# Allegro board 8880F5-0823_9.brd (continued)
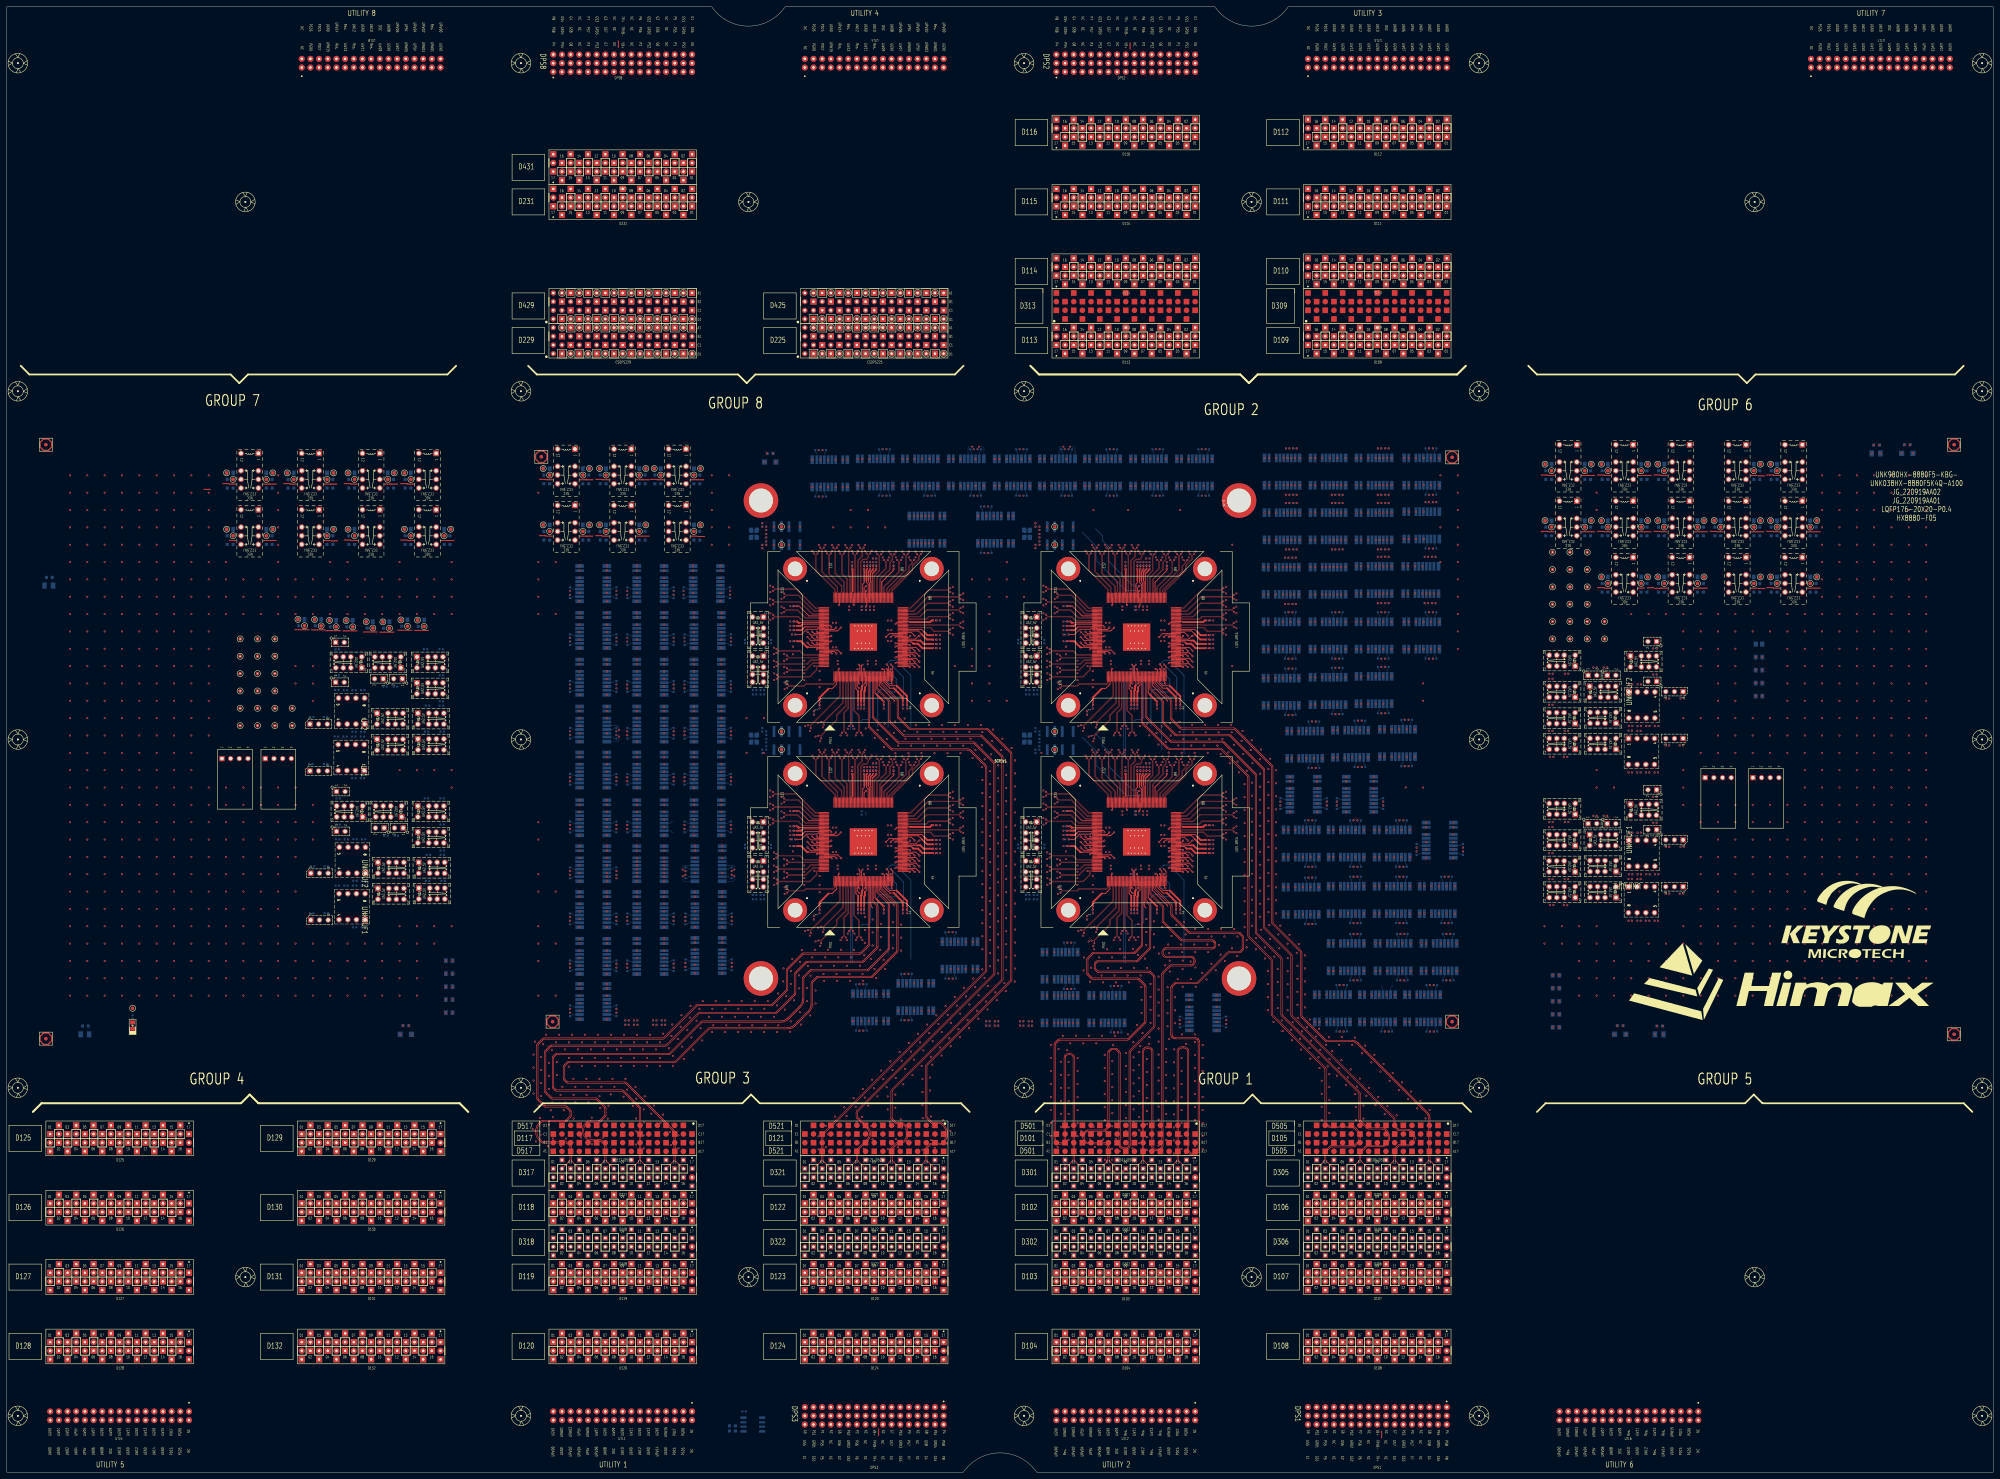
[diagram p0: board, top side]
## Nets (continued)
N26496035: UNK3K12.5 UNK3R132.1
N26496039: UNK3K33.2 UNK3R82.1
N26496040: UNK3K33.4 UNK3R117.1
N26496047: UNK3K18.4 UNK3R5.1 UNK3R6.2
N26496049: UNK3K18.5 UNK3R6.1 UNK3R133.1
N26496050: UNK3C5.1 UNK3R133.2 UNK3Y1.1 UNK3Y2.1
N26496051: UNK3C6.1 UNK3R5.2 UNK3Y1.3 UNK3Y2.3
N26496080: UNK3K13.5 UNK3R120.2
N26496081: UNK3K13.4 UNK3R119.2
N26496142: UNK3J5.1 UNK3K28.5 UNK3R84.2
N26496146: UNK3J4.1 UNK3K28.4 UNK3R83.2
N26500269: UNK3J2.1 UNK3R89.1
N26500273: UNK3J3.1 UNK3R96.1
N26500275: UNK3J3.3 UNK3R93.1
N26500282: UNK3R90.1 UNK3U1.7
N26500307: UNK3J2.2 UNK3U1.3
N26500316: UNK3R97.1 UNK3U2.7
N26500343: UNK3J3.2 UNK3U2.3
N26500354: UNK3J2.3 UNK3R86.1
N26501112: UNK3CA21.1 UNK3K34.5
N26501118: UNK3CA23.1 UNK3K36.5 UNK3K36.8
N26501123: UNK3CA24.1 UNK3K37.5
N26501243: UNK3CA29.1 UNK3K42.5
N26501249: UNK3CA26.1 UNK3K39.5
N26501321: UNK3CA34.1 UNK3K31.5
N26501327: UNK3CA27.1 UNK3K40.5
N26501460: UNK3CA37.1 UNK3K39.8
N26501466: UNK3CA40.1 UNK3K42.8
N26501470: UNK3CA28.1 UNK3K40.8
N26501472: UNK3CA25.1 UNK3K37.8
N26501478: UNK3CA22.1 UNK3K34.8
N26504239: UNK4K25.3 UNK4R55.2
N26504240: UNK4K25.4 UNK4R56.1
N26504241: UNK4K25.6 UNK4R57.2
N26504242: UNK4K25.5 UNK4R58.1
N26504244: UNK4K26.3 UNK4R59.2
N26504245: UNK4K26.4 UNK4R60.1
N26504246: UNK4K26.6 UNK4R61.2
N26504247: UNK4K26.5 UNK4R62.1
N26504249: UNK4K27.5 UNK4R66.1
N26504250: UNK4K27.6 UNK4R65.2
N26504257: UNK4K22.6 UNK4R45.2
N26504258: UNK4K22.5 UNK4R46.1
N26504259: UNK4K23.3 UNK4R47.2
N26504260: UNK4K23.4 UNK4R48.1
N26504261: UNK4K23.6 UNK4R49.2
N26504262: UNK4K23.5 UNK4R50.1
N26504264: UNK4K24.3 UNK4R51.2
N26504265: UNK4K24.4 UNK4R52.1
N26504266: UNK4K24.6 UNK4R53.2
N26504267: UNK4K24.5 UNK4R54.1
N26504282: UNK4K22.3 UNK4R102.2
N26504283: UNK4K22.4 UNK4R103.1
N26504284: UNK4K27.3 UNK4R104.2
N26504285: UNK4K27.4 UNK4R105.1
N26504400: S4_RST_N.2 UNK4J1.2 UNK4K10.4 UNK4R85.2
N26504405: UNK4C7.1 UNK4J1.1
N26504440: UNK4K17.3 UNK4R71.2
N26504441: UNK4K17.4 UNK4R72.1
N26504442: UNK4K17.5 UNK4R74.1
N26504443: UNK4K17.6 UNK4R73.2
N26504444: UNK4K21.3 UNK4R75.2
N26504445: UNK4K21.4 UNK4R76.1
N26504446: UNK4K21.5 UNK4R78.1
N26504447: UNK4K21.6 UNK4R77.2
N26504448: UNK4K29.3 UNK4R79.2
N26504449: UNK4K29.4 UNK4R80.1
N26504450: UNK4K29.6 UNK4R43.2
N26504451: UNK4K29.5 UNK4R44.1
N26504452: UNK4K30.3 UNK4R63.2
N26504453: UNK4K30.4 UNK4R64.1
N26504454: UNK4K30.5 UNK4R101.1
N26504455: UNK4K30.6 UNK4R100.2
N26504536: UNK4K16.3 UNK4R67.2
N26504537: UNK4K16.4 UNK4R68.1
N26504538: UNK4K16.5 UNK4R70.1
N26504539: UNK4K16.6 UNK4R69.2
N26504561: UNK4K6.5 UNK4R30.1
N26504563: UNK4K6.3 UNK4R27.2
N26504564: UNK4K6.4 UNK4R28.1
N26504565: UNK4K6.6 UNK4R29.2
N26504566: UNK4K7.5 UNK4R34.1
N26504568: UNK4K7.3 UNK4R31.2
N26504569: UNK4K7.4 UNK4R32.1
N26504570: UNK4K7.6 UNK4R33.2
N26504612: UNK4K11.3 UNK4R39.2
N26504613: UNK4K11.4 UNK4R40.1
N26504614: UNK4K8.5 UNK4R38.1
N26504616: UNK4K8.6 UNK4R37.2
N26504617: UNK4K11.6 UNK4R41.2
N26504618: UNK4K11.5 UNK4R42.1
N26504660: UNK4K5.5 UNK4R26.1
N26504662: UNK4K5.3 UNK4R23.2
N26504663: UNK4K5.4 UNK4R24.1
N26504664: UNK4K5.6 UNK4R25.2
N26504685: UNK4K3.5 UNK4R18.1
N26504686: UNK4K3.6 UNK4R17.2
N26504687: UNK4K3.4 UNK4R16.1
N26504688: UNK4K3.3 UNK4R15.2
N26504691: UNK4K1.5 UNK4R10.1
N26504692: UNK4K1.6 UNK4R9.2
N26504693: UNK4K1.4 UNK4R8.1
N26504694: UNK4K1.3 UNK4R7.2
N26504696: UNK4K2.3 UNK4R11.2
N26504697: UNK4K2.4 UNK4R12.1
N26504698: UNK4K4.5 UNK4R22.1
N26504700: UNK4K4.3 UNK4R19.2
N26504701: UNK4K4.4 UNK4R20.1
N26504702: UNK4K4.6 UNK4R21.2
N26504703: UNK4K2.5 UNK4R14.1
N26504704: UNK4K2.6 UNK4R13.2
N26504890: UNK4K12.4 UNK4R131.1
N26504892: UNK4K12.5 UNK4R132.1
N26504896: UNK4K33.2 UNK4R82.1
N26504897: UNK4K33.4 UNK4R117.1
N26504904: UNK4K18.4 UNK4R5.1 UNK4R6.2
N26504906: UNK4K18.5 UNK4R6.1 UNK4R133.1
N26504907: UNK4C5.1 UNK4R133.2 UNK4Y1.1 UNK4Y2.1
N26504908: UNK4C6.1 UNK4R5.2 UNK4Y1.3 UNK4Y2.3
N26504937: UNK4K13.5 UNK4R120.2
N26504938: UNK4K13.4 UNK4R119.2
N26504999: UNK4J5.1 UNK4K28.5 UNK4R84.2
N26505003: UNK4J4.1 UNK4K28.4 UNK4R83.2
N26509126: UNK4J2.1 UNK4R89.1
N26509130: UNK4J3.1 UNK4R96.1
N26509132: UNK4J3.3 UNK4R93.1
N26509139: UNK4R90.1 UNK4U1.7
N26509164: UNK4J2.2 UNK4U1.3
N26509173: UNK4R97.1 UNK4U2.7
N26509200: UNK4J3.2 UNK4U2.3
N26509211: UNK4J2.3 UNK4R86.1
N26509969: UNK4CA21.1 UNK4K34.5
N26509975: UNK4CA23.1 UNK4K36.5 UNK4K36.8
N26509980: UNK4CA24.1 UNK4K37.5
N26510100: UNK4CA29.1 UNK4K42.5
N26510106: UNK4CA26.1 UNK4K39.5
N26510178: UNK4CA34.1 UNK4K31.5
N26510184: UNK4CA27.1 UNK4K40.5
N26510317: UNK4CA37.1 UNK4K39.8
N26510323: UNK4CA40.1 UNK4K42.8
N26510327: UNK4CA28.1 UNK4K40.8
N26510329: UNK4CA25.1 UNK4K37.8
N26510335: UNK4CA22.1 UNK4K34.8

Pads without a net: CSDPS225 A17 B17 C17 D17; CSDPS229 A17 B17 C17 D17; CSDPS425 A17 B17 C17 D17; CSDPS429 A17 B17 C17 D17; D101/D501 A1 A2 A3 A4 A5 A6 A7 A8 A9 A10 A11 A12 A13 A14 A15 A16 A17 B1 B2 B3 B4 B5 B6 B7 B8 B9 B10 B11 B12 B13 B14 B15 B16 B17 C1 C2 C3 C4 C5 C6 C7 C8 C9 C10 C11 C12 C13 C14 C15 C16 C17 D2 D3 D4 D5 D6 D7 D8 D9 D10 D11 D12 D13 D14 D15 D16; D102 17 A17 B17; D103 17 A17 B17; D104 17 A17 B17; D105/D505 A1 A2 A3 A4 A5 A6 A7 A8 A9 A10 A11 A12 A13 A14 A15 A16 A17 B1 B2 B3 B4 B5 B6 B7 B8 B9 B10 B11 B12 B13 B14 B15 B16 B17 C1 C2 C3 C4 C5 C6 C7 C8 C9 C10 C11 C12 C13 C14 C15 C16 C17 D2 D3 D4 D5 D6 D7 D8 D9 D10 D11 D12 D13 D14 D15 D16; D106 17 A17 B17; D107 17 A17 B17; D108 17 A17 B17; D109 17 A17 B17; D110 17 A17 B17; D111 17 A17 B17; D112 17 A17 B17; D113 17 A17 B17; D114 17 A17 B17; D115 17 A17 B17; D116 17 A17 B17; D117/D517 A1 A2 A3 A4 A5 A6 A7 A8 A9 A10 A11 A12 A13 A14 A15 A16 A17 B1 B2 B3 B4 B5 B6 B7 B8 B9 B10 B11 B12 B13 B14 B15 B16 B17 C1 C2 C3 C4 C5 C6 C7 C8 C9 C10 C11 C12 C13 C14 C15 C16 C17 D2 D3 D4 D5 D6 D7 D8 D9 D10 D11 D12 D13 D14 D15 D16; D118 17 A17 B17; D119 17 A17 B17; D120 17 A17 B17; D121/D521 A1 A2 A3 A4 A5 A6 A7 A8 A9 A10 A11 A12 A13 A14 A15 A16 A17 B1 B2 B3 B4 B5 B6 B7 B8 B9 B10 B11 B12 B13 B14 B15 B16 B17 C1 C2 C3 C4 C5 C6 C7 C8 C9 C10 C11 C12 C13 C14 C15 C16 C17 D2 D3 D4 D5 D6 D7 D8 D9 D10 D11 D12 D13 D14 D15 D16; D122 17 A17 B17; D123 17 A17 B17; D124 17 A17 B17; D125 17 A17 B17; D126 17 A17 B17; D127 17 A17 B17; D128 17 A17 B17; D129 17 A17 B17; D130 17 A17 B17; D131 17 A17 B17; D132 17 A17 B17; D301 17 A17 B17; D302 17 A17 B17; D305 17 A17 B17; D306 17 A17 B17; D309 A1 A3 A5 A7 A9 A11 A13 A15 A17 B1 B2 B3 B4 B5 B6 B7 B8 B9 B10 B11 B12 B13 B14 B15 B16 B17 C1 C2 C3 C4 C5 C6 C7 C8 C9 C10 C11 C12 C13 C14 C15 C16 C17 D2 D4 D6 D8 D10 D12 D14 D16; D313 A1 A3 A5 A7 A9 A11 A13 A15 A17 B1 B2 B3 B4 B5 B6 B7 B8 B9 B10 B11 B12 B13 B14 B15 B16 B17 C1 C2 C3 C4 C5 C6 C7 C8 C9 C10 C11 C12 C13 C14 C15 C16 C17 D2 D4 D6 D8 D10 D12 D14 D16; D317 17 A17 B17; D318 17 A17 B17; D321 17 A17 B17; D322 17 A17 B17; DPS1 A04 A08 A10 A14 B04 B08 B10 B14 C04 C08 C10 C14; DPS2 A04 A08 A10 A14 B04 B08 B10 B14 C04 C08 C10 C14; DPS3 A04 A08 A10 A14 B04 B08 B10 B14 C04 C08 C10 C14; DPS8 A04 A08 A10 A14 B04 B08 B10 B14 C04 C08 C10 C14; FD1 1; FD2 1; FD3 1; FD4 1; FD5 1; FD6 1; FD7 1; FD8 1; FD9 1; FD10 1; FD11 1; FD12 1; FD13 1; FD14 1; FD15 1; FD16 1; HX8880-F05 1; JG_220919AA01 1; JG_220919AA02 1; K1 2 7; K2 2 7; K3 2 7; K4 2 7; K5 2 7; K6 2 7; K7 2 7; K8 2 3 4 7; K10 2 5 6 7; K11 2 7; K12 2 7; K13 2 7; K16 2 7; K17 2 7; K21 2 7; K22 2 7; K23 2 7; K24 2 7; K25 2 7; K26 2 7; K27 2 7; K28 2 7; K29 2 7; K30 2 7; K31 3 8 9 10; K33 5 6 7; K34 3 10; K36 3 10; K37 3 10; K39 3 10; K40 3 10; K42 3 10; LOGO1 1; LOGO2 1; LQFP176-20X20-P0.4 1; S1_I2C 3; S2_I2C 3; S3_I2C 3; S4_I2C 3; SITE1 NUT1 NUT2 NUT3 NUT4; SITE2 NUT1 NUT2 NUT3 NUT4; SITE3 NUT1 NUT2 NUT3 NUT4; SITE4 NUT1 NUT2 NUT3 NUT4; SKB NUT1 NUT2 NUT3 NUT4; TPL1 1; TPL2 1; TPL3 1; TPL4 1; TPL5 1; TPL6 1; TPL7 1; TPL8 1; TPL9 1; TPL10 1; TPL11 1; TPL12 1; TPL13 1; TPL14 1; TPL15 1; TPL16 1; TPL17 1; TPL18 1; TPL19 1; TPL20 1; TPL21 1; TPL22 1; TPL23 1; TPL24 1; TPL25 1; TPL26 1; TPL27 1; TPL28 1; TPL29 1; TPL30 1; TPL31 1; TPL32 1; TPL33 1; TPL34 1; TPL35 1; TPL36 1; TPL37 1; TPL38 1; TPL39 1; TPL40 1; UF1 1; UF2 1; UNK2K1 2 7; UNK2K2 2 7; UNK2K3 2 7; UNK2K4 2 7; UNK2K5 2 7; UNK2K6 2 7; UNK2K7 2 7; UNK2K8 2 3 4 7; UNK2K10 2 5 6 7; UNK2K11 2 7; UNK2K12 2 7; UNK2K13 2 7; UNK2K16 2 7; UNK2K17 2 7; UNK2K21 2 7; UNK2K22 2 7; UNK2K23 2 7; UNK2K24 2 7; UNK2K25 2 7; UNK2K26 2 7; UNK2K27 2 7; UNK2K28 2 7; UNK2K29 2 7; UNK2K30 2 7; UNK2K31 3 8 9 10; UNK2K33 5 6 7; UNK2K34 3 10; UNK2K36 3 10; UNK2K37 3 10; UNK2K39 3 10; UNK2K40 3 10; UNK2K42 3 10; UNK2UF1 1; UNK2UF2 1; UNK3K1 2 7; UNK3K2 2 7; UNK3K3 2 7; UNK3K4 2 7; UNK3K5 2 7; UNK3K6 2 7; UNK3K7 2 7; UNK3K8 2 3 4 7; UNK3K10 2 5 6 7; UNK3K11 2 7; UNK3K12 2 7; UNK3K13 2 7; UNK3K16 2 7; UNK3K17 2 7; UNK3K21 2 7; UNK3K22 2 7; UNK3K23 2 7; UNK3K24 2 7; UNK3K25 2 7; UNK3K26 2 7; UNK3K27 2 7; UNK3K28 2 7; UNK3K29 2 7; UNK3K30 2 7; UNK3K31 3 8 9 10; UNK3K33 5 6 7; UNK3K34 3 10; UNK3K36 3 10; UNK3K37 3 10; UNK3K39 3 10; UNK3K40 3 10; UNK3K42 3 10; UNK3UF1 1; UNK3UF2 1; UNK4K1 2 7; UNK4K2 2 7; UNK4K3 2 7; UNK4K4 2 7; UNK4K5 2 7; UNK4K6 2 7; UNK4K7 2 7; UNK4K8 2 3 4 7; UNK4K10 2 5 6 7; UNK4K11 2 7; UNK4K12 2 7; UNK4K13 2 7; UNK4K16 2 7; UNK4K17 2 7; UNK4K21 2 7; UNK4K22 2 7; UNK4K23 2 7; UNK4K24 2 7; UNK4K25 2 7; UNK4K26 2 7; UNK4K27 2 7; UNK4K28 2 7; UNK4K29 2 7; UNK4K30 2 7; UNK4K31 3 8 9 10; UNK4K33 5 6 7; UNK4K34 3 10; UNK4K36 3 10; UNK4K37 3 10; UNK4K39 3 10; UNK4K40 3 10; UNK4K42 3 10; UNK4UF1 1; UNK4UF2 1; UNK038HX-8880F5K4Q-A100 1; UNK980HX-8880F5-KBG- 1; UTL1 A17 B17; UTL2 A17 B17; UTL3 A17 B17; UTL4 A17 B17; UTL5 A17 B17; UTL6 A17 B17; UTL7 A17 B17; UTL8 A17 B17

## Via types
v1: diameter 0.559, hole 0.305, TOP to BOTTOM, 4762 vias
v2: diameter 0.508, hole 0.305, TOP to BOTTOM, 79 vias

## Routing (per net, layer and track width the routed paths; a pad name or vN(x,y) marks a point on that pad's centre or on a via; arc(x,y) is an arc through that point)
GND: length 231.7
  TOP w0.231: SITE4.34 335.43,170.48 339.8,166.12 arc(339.85,166.04) 339.86,165.95 339.86,165.81 ; SITE3.4 243.43,174.91 arc(243.45,175.02) 243.51,175.11 243.63,175.23 v1(243.63,175.36) ; v1(323.63,254.03) 323.83,254.23 SITE2.128 ; SITE3.34 255.43,170.48 259.8,166.12 arc(259.85,166.04) 259.86,165.95 259.86,165.81 ; SITE3.23 251.03,175.16 v1(250.96,175.23) ; SITE4.23 331.03,175.16 v1(330.96,175.23) ; SITE1.23 251.03,235.16 v1(250.96,235.23) ; SITE1.62 v1(260.23,242.83) ; 259.86,225.81 259.86,225.95 arc(259.85,226.04) 259.8,226.12 255.43,230.48 SITE1.34 ; SITE4.108 331.83,193.88 v1(331.54,193.59) ; SITE2.62 v1(340.23,242.83) ; SITE4.4 323.43,174.91 arc(323.45,175.02) 323.51,175.11 323.63,175.23 v1(323.63,175.36) ; v1(336.36,175.23) 336.63,175.23 arc(336.91,175.11) 337.03,174.83 SITE4.38 ; SITE1.38 257.03,234.83 arc(256.91,235.11) 256.63,235.23 v1(256.36,235.23) ; SITE3.62 v1(260.23,182.83) ; SITE3.146 241.07,188.03 241.43,187.67 v1(241.43,187.43) ; v1(323.63,235.36) 323.63,235.23 323.51,235.11 arc(323.45,235.02) 323.43,234.91 SITE2.4 ; SITE4.128 323.83,194.23 v1(323.63,194.03) ; SITE1.128 243.83,254.23 v1(243.63,254.03) ; 339.86,225.81 339.86,225.95 arc(339.85,226.04) 339.8,226.12 335.43,230.48 SITE2.34 ; SITE4.28 333.03,166.17 arc(333.09,165.84) 333.28,165.57 333.56,165.29 ; SITE1.4 243.43,234.91 arc(243.45,235.02) 243.51,235.11 243.63,235.23 v1(243.63,235.36) ; v1(256.36,175.23) 256.63,175.23 arc(256.91,175.11) 257.03,174.83 SITE3.38 ; v1(321.43,187.43) 321.43,187.67 321.07,188.03 SITE4.146 ; SITE3.28 253.03,166.17 arc(253.09,165.84) 253.28,165.57 253.56,165.29 ; SITE4.62 v1(340.23,182.83) ; SITE1.146 241.07,248.03 241.43,247.67 v1(241.43,247.43) ; SITE2.38 337.03,234.83 arc(336.91,235.11) 336.63,235.23 v1(336.36,235.23) ; v1(331.54,253.59) 331.83,253.88 SITE2.108 ; SITE1.108 251.83,253.88 v1(251.54,253.59) ; v1(321.43,247.43) 321.43,247.67 321.07,248.03 SITE2.146 ; SITE1.28 253.03,231.52 ; SITE2.28 333.03,231.52 ; v1(330.96,235.23) 331.03,235.16 SITE2.23
  TOP w0.381: v1(331.05,205.56) UNK4CD14.2 ; v1(250.17,224.73) CD23.2 ; v1(339.65,205.56) UNK4CD11.2 ; v1(272.24,242.64) CD7.2 ; v1(259.65,205.56) UNK3CD11.2 ; v1(230.42,193.69) UNK3CD12.2 ; v1(272.24,245.18) CD15.2 ; v1(251.05,205.56) UNK3CD14.2 ; v1(339.65,265.56) UNK2CD11.2 ; v1(247.57,265.56) CD24.2 ; v1(249.28,224.73) CD22.2 ; v1(330.17,224.73) UNK2CD23.2 ; v1(329.28,164.73) UNK4CD22.2 ; v1(237.98,164.73) UNK3CD1.2 ; v1(352.24,181.37) UNK4CD3.2 ; v1(317.98,164.73) UNK4CD1.2 ; v1(256.77,224.73) CD9.2 ; v1(333.72,265.56) UNK2CD16.2 ; v1(331.05,265.56) UNK2CD14.2 ; v1(230.42,186.66) UNK3CD6.2 ; v1(230.42,253.69) CD12.2 ; v1(230.42,243.41) CD19.2 ; v1(352.24,242.64) UNK2CD7.2 ; v1(327.57,265.56) UNK2CD24.2 ; v1(310.42,246.66) UNK2CD6.2 ; v1(332.83,265.56) UNK2CD13.2 ; v1(310.42,186.66) UNK4CD6.2 ; v1(253.72,265.56) CD16.2 ; v1(334.61,205.56) UNK4CD4.2 ; v1(230.42,246.66) CD6.2 ; v1(317.98,224.73) UNK2CD1.2 ; v1(272.24,243.91) CD20.2 ; UNK4CD5.2 v1(343.63,164.73) ; v1(334.61,265.56) UNK2CD4.2 ; v1(352.24,245.18) UNK2CD15.2 ; v1(252.83,265.56) CD13.2 ; v1(230.42,183.41) UNK3CD19.2 ; v1(310.42,249.2) UNK2CD25.2 ; v1(310.42,193.69) UNK4CD12.2 ; UNK3CD5.2 v1(263.63,164.73) ; v1(272.24,189.5) UNK3CD10.2 ; v1(352.24,189.5) UNK4CD10.2 ; v1(272.24,249.5) CD10.2 ; v1(352.24,185.18) UNK4CD15.2 ; v1(230.42,189.2) UNK3CD25.2 ; v1(253.72,205.56) UNK3CD16.2 ; UNK4CD21.2 v1(342.36,164.73) ; v1(332.83,205.56) UNK4CD13.2 ; v1(250.17,164.73) UNK3CD23.2 ; v1(336.77,164.73) UNK4CD9.2 ; v1(249.28,164.73) UNK3CD22.2 ; v1(251.05,265.56) CD14.2 ; v1(272.24,241.37) CD3.2 ; v1(252.83,205.56) UNK3CD13.2 ; v1(310.42,247.93) UNK2CD17.2 ; v1(230.42,187.93) UNK3CD17.2 ; v1(251.94,205.56) UNK3CD18.2 ; CD5.2 v1(263.63,224.73) ; UNK2CD21.2 v1(342.36,224.73) ; v1(310.42,189.2) UNK4CD25.2 ; v1(331.06,224.73) UNK2CD8.2 ; v1(230.42,249.2) CD25.2 ; v1(310.42,243.41) UNK2CD19.2 ; v1(336.77,224.73) UNK2CD9.2 ; v1(329.28,224.73) UNK2CD22.2 ; v1(254.61,265.56) CD4.2 ; UNK3CD21.2 v1(262.36,164.73) ; v1(251.06,224.73) CD8.2 ; v1(331.94,265.56) UNK2CD18.2 ; v1(310.42,183.41) UNK4CD19.2 ; v1(251.94,265.56) CD18.2 ; v1(237.98,224.73) CD1.2 ; v1(330.17,164.73) UNK4CD23.2 ; v1(352.24,182.64) UNK4CD7.2 ; v1(272.24,182.64) UNK3CD7.2 ; v1(310.42,253.69) UNK2CD12.2 ; v1(352.24,183.91) UNK4CD20.2 ; v1(272.24,181.37) UNK3CD3.2 ; v1(251.06,164.73) UNK3CD8.2 ; v1(327.57,205.56) UNK4CD24.2 ; v1(230.42,247.93) CD17.2 ; v1(331.06,164.73) UNK4CD8.2 ; v1(352.24,249.5) UNK2CD10.2 ; v1(352.24,241.37) UNK2CD3.2 ; v1(331.94,205.56) UNK4CD18.2 ; v1(333.72,205.56) UNK4CD16.2 ; v1(272.24,185.18) UNK3CD15.2 ; UNK2CD5.2 v1(343.63,224.73) ; v1(259.65,265.56) CD11.2 ; v1(254.61,205.56) UNK3CD4.2 ; CD21.2 v1(262.36,224.73) ; v1(247.57,205.56) UNK3CD24.2 ; v1(352.24,243.91) UNK2CD20.2 ; v1(310.42,187.93) UNK4CD17.2 ; v1(256.77,164.73) UNK3CD9.2 ; v1(272.24,183.91) UNK3CD20.2
  BOTTOM w0.119: v1(197.94,176.52) 197.94,177.36 arc(198.05,177.64) 198.33,177.76 UNK3K27.G8 ; UNK3K27.G6 198.49,173.11 arc(198.1,173.27) 197.94,173.67 v1(197.94,174.59) ; v1(179.25,217.42) 179.25,218.26 arc(179.14,218.54) 178.86,218.65 K1.G3 ; K21.G3 281.47,300.02 arc(281.59,300.3) 281.87,300.41 v1(282.71,300.41) ; K4.G3 308.14,300.02 arc(308.26,300.3) 308.54,300.41 v1(309.38,300.41) ; UNK3K27.G5 212.48,173.11 arc(212.87,173.27) 213.04,173.67 v1(213.04,174.59) ; K21.G5 286.12,299.85 arc(285.96,300.25) 285.57,300.41 v1(284.64,300.41) ; CC40.2 v1(257.99,246.67) ; K1.G5 178.7,214 arc(179.09,214.17) 179.25,214.56 v1(179.25,215.49) ; UNK3K27.G3 212.64,177.76 arc(212.92,177.64) 213.04,177.36 v1(213.04,176.52) ; v1(311.31,300.41) 312.24,300.41 arc(312.63,300.25) 312.79,299.85 K4.G5
  BOTTOM w0.381: v1(251.06,224.73) CC11.2 ; v1(249.28,164.73) UNK3CC31.2 ; v1(329.28,164.73) UNK4CC31.2 ; v1(331.06,224.73) UNK2CC11.2 ; v1(251.06,164.73) UNK3CC11.2 ; UNK3CD25.2 v1(230.42,189.2) UNK3CC41.2 ; CC41.2 v1(230.42,249.2) CD25.2 ; UNK2CD11.2 v1(339.65,265.56) UNK2CC28.2 ; UNK2CC32.2 v1(342.36,224.73) ; UNK3CD11.2 v1(259.65,205.56) UNK3CC28.2 ; v1(331.06,164.73) UNK4CC11.2 ; UNK4CC27.2 v1(352.24,189.5) UNK4CD10.2 ; v1(251.94,205.56) UNK3CC34.2 ; v1(310.42,247.93) UNK2CC4.2 ; UNK3CD19.2 v1(230.42,183.41) UNK3CC30.2 ; v1(250.17,224.73) CC6.2 ; v1(251.94,265.56) CC34.2 ; v1(256.77,224.73) CC13.2 ; v1(253.72,265.56) CC26.2 ; CD10.2 v1(272.24,249.5) CC27.2 ; v1(352.24,243.91) UNK2CC33.2 ; v1(272.24,243.91) CC33.2 ; v1(250.17,164.73) UNK3CC6.2 ; UNK4CC17.2 v1(310.42,193.69) UNK4CD12.2 ; CC17.2 v1(230.42,253.69) CD12.2 ; UNK4CC32.2 v1(342.36,164.73) ; UNK4CD24.2 v1(327.57,205.56) UNK4CC38.2 ; v1(272.24,182.64) UNK3CC36.2 ; v1(252.83,205.56) UNK3CC19.2 ; v1(334.61,205.56) UNK4CC9.2 ; v1(352.24,181.37) UNK4CC35.2 ; v1(330.17,224.73) UNK2CC6.2 ; CD15.2 v1(272.24,245.18) CC25.2 ; UNK3CD15.2 v1(272.24,185.18) UNK3CC25.2 ; UNK2CD19.2 v1(310.42,243.41) UNK2CC30.2 ; v1(332.83,205.56) UNK4CC19.2 ; v1(333.72,265.56) UNK2CC26.2 ; v1(251.05,265.56) CC22.2 ; v1(272.24,241.37) CC35.2 ; v1(252.83,265.56) CC19.2 ; UNK2CC41.2 v1(310.42,249.2) UNK2CD25.2 ; UNK2CC17.2 v1(310.42,253.69) UNK2CD12.2 ; CD24.2 v1(247.57,265.56) CC38.2 ; UNK2CC8.2 v1(343.63,224.73) ; v1(230.42,187.93) UNK3CC4.2 ; v1(237.98,164.73) UNK3CC1.2 ; v1(334.61,265.56) UNK2CC9.2 ; UNK3CC27.2 v1(272.24,189.5) UNK3CD10.2 ; v1(331.05,205.56) UNK4CC22.2 ; v1(253.72,205.56) UNK3CC26.2 ; UNK2CC27.2 v1(352.24,249.5) UNK2CD10.2 ; v1(272.24,242.64) CC36.2 ; UNK2CC25.2 v1(352.24,245.18) UNK2CD15.2 ; v1(254.61,265.56) CC9.2 ; v1(352.24,182.64) UNK4CC36.2 ; CD19.2 v1(230.42,243.41) CC30.2 ; UNK2CC38.2 v1(327.57,265.56) UNK2CD24.2 ; UNK4CD25.2 v1(310.42,189.2) UNK4CC41.2 ; v1(329.28,224.73) UNK2CC31.2 ; UNK3CC38.2 v1(247.57,205.56) UNK3CD24.2 ; v1(352.24,183.91) UNK4CC33.2 ; v1(310.42,187.93) UNK4CC4.2 ; v1(333.72,205.56) UNK4CC26.2 ; v1(310.42,246.66) UNK2CC7.2 ; UNK4CC25.2 v1(352.24,185.18) UNK4CD15.2 ; v1(254.61,205.56) UNK3CC9.2 ; v1(230.42,186.66) UNK3CC7.2 ; v1(237.98,224.73) CC1.2 ; v1(331.94,265.56) UNK2CC34.2 ; v1(330.17,164.73) UNK4CC6.2 ; UNK4CD11.2 v1(339.65,205.56) UNK4CC28.2 ; v1(317.98,164.73) UNK4CC1.2 ; v1(251.05,205.56) UNK3CC22.2 ; UNK3CD12.2 v1(230.42,193.69) UNK3CC17.2 ; v1(249.28,224.73) CC31.2 ; CC8.2 v1(263.63,224.73) ; CC32.2 v1(262.36,224.73) ; v1(230.42,246.66) CC7.2 ; v1(256.77,164.73) UNK3CC13.2 ; CC28.2 v1(259.65,265.56) CD11.2 ; v1(352.24,242.64) UNK2CC36.2 ; UNK4CD19.2 v1(310.42,183.41) UNK4CC30.2 ; v1(352.24,241.37) UNK2CC35.2 ; UNK4CC8.2 v1(343.63,164.73) ; v1(332.83,265.56) UNK2CC19.2 ; v1(310.42,186.66) UNK4CC7.2 ; v1(331.94,205.56) UNK4CC34.2 ; v1(336.77,224.73) UNK2CC13.2 ; UNK3CC8.2 v1(263.63,164.73) ; v1(272.24,183.91) UNK3CC33.2 ; v1(336.77,164.73) UNK4CC13.2 ; v1(230.42,247.93) CC4.2 ; v1(272.24,181.37) UNK3CC35.2 ; UNK3CC32.2 v1(262.36,164.73) ; v1(331.05,265.56) UNK2CC22.2 ; v1(317.98,224.73) UNK2CC1.2